# Altium PCB PCB_3U_DDS.PcbDoc (part 2 of 12)
Units mil, origin at the board's own origin, x right, y up, seen from the top; angles counter-clockwise.
Board outline 6338.37 x 3937 mil, 6 copper layers (L1, P2, L3, L4, P5, L6), stack 64.885 mil thick; 954 components, 537 nets, 3358 pads, 2342 vias.
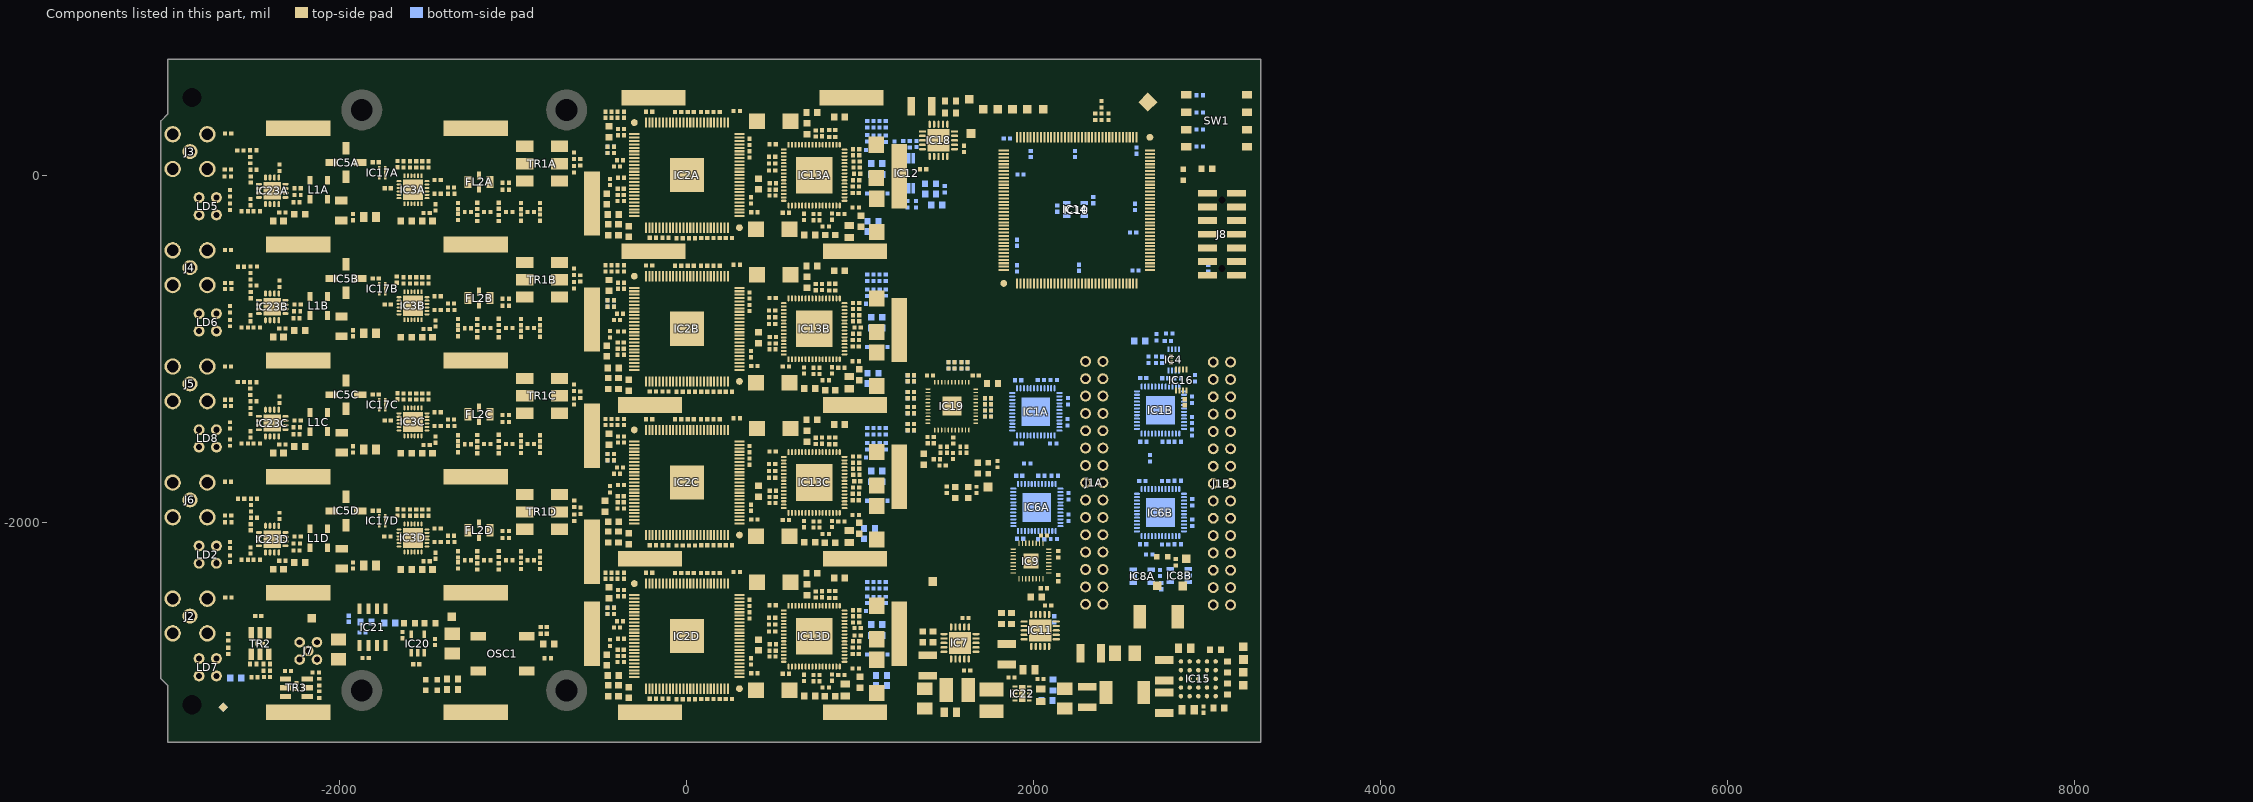
[diagram p6: the components of this part, seen from the top]

## Components (designator, comment, footprint, x,y, rotation, side; value= is the part's Value field where it differs from the comment) (continued)
C159D "100nF" CAPC1005X55N -217.52,-2292.32 r180 top (schematic designator C159)
C160 "1uF" CAPC1005X55N 2117.27,-2560.71 r270 bottom
C161 "47uF" CAPC3225X270N 2751.57,-2854.33 r90 top
C162A "10uF" CAPMP6032X280N 1092.52,78.74 r270 top (schematic designator C162)
C162B "10uF" CAPMP6032X280N 1095.28,-807.19 r270 top (schematic designator C162)
C162C "10uF" CAPMP6032X280N 1095.28,-1693.02 r270 top (schematic designator C162)
C162D "10uF" CAPMP6032X280N 1095.28,-2578.84 r270 top (schematic designator C162)
C163 "47uF" CAPC3225X270N 2328.35,-2755.91 r0 top
C164A "Undefined" CAPC1005X55N -846.46,-245.18 r270 top (schematic designator C164)
C164B "Undefined" CAPC1005X55N -846.46,-914.47 r270 top (schematic designator C164)
C164C "Undefined" CAPC1005X55N -846.46,-1583.76 r270 top (schematic designator C164)
C164D "Undefined" CAPC1005X55N -846.46,-2253.06 r270 top (schematic designator C164)
C165 "1uF" CAPC1005X55N 2082.28,-2480.31 r0 top
C166 "47uF" CAPC3225X270N 1844.49,-2761.91 r90 top
C167 "1uF" CAPC1005X55N 1362.2,33.36 r180 top
C168 "1uF" CAPC1005X55N 1598.43,151.47 r270 top
C169 "47uF" CAPC3225X270N 1352.36,397.54 r0 top
C170 "10nF" CAPC1005X55N -1451.57,-2691.05 r90 top
C171 "1uF" CAPC1005X55N -1559.83,-2819 r180 top
C172A "Undefined" CAPC1005X55N -956.69,-178.25 r90 top (schematic designator C172)
C172B "Undefined" CAPC1005X55N -956.69,-847.54 r90 top (schematic designator C172)
C172C "Undefined" CAPC1005X55N -956.69,-1516.83 r90 top (schematic designator C172)
C172D "Undefined" CAPC1005X55N -956.69,-2186.13 r90 top (schematic designator C172)
C173 "100nF" CAPC1005X55N -1638.57,-2651.68 r90 top
C174 "1uF" CAPC1005X55N -1851.39,-2783.57 r180 top
C175 "10nF" CAPC1005X55N -1948.82,-2557.19 r270 bottom
C176A "Undefined" CAPC1005X55N -1084.64,-247.15 r270 top (schematic designator C176)
C176B "Undefined" CAPC1005X55N -1084.64,-916.44 r270 top (schematic designator C176)
C176C "Undefined" CAPC1005X55N -1084.64,-1585.73 r270 top (schematic designator C176)
C176D "Undefined" CAPC1005X55N -1084.64,-2255.03 r270 top (schematic designator C176)
C177 "100nF" CAPC1005X55N -1870.08,-2635.93 r180 bottom
C178 "100nF" CAPC1005X55N 1871.21,-2895.36 r180 top
C179 "22uF" CAPC2012X135N 1972.44,-2850.5 r180 top
C180A "Undefined" CAPC1005X55N -1207.67,-177.27 r90 top (schematic designator C180)
C180B "Undefined" CAPC1005X55N -1207.67,-846.56 r90 top (schematic designator C180)
C180C "Undefined" CAPC1005X55N -1207.67,-1515.85 r90 top (schematic designator C180)
C180D "Undefined" CAPC1005X55N -1207.67,-2185.14 r90 top (schematic designator C180)
C181 "100nF" CAPC1005X55N 2038.53,-2905.2 r0 top
C182 "22uF" CAPC2012X135N 2041.34,-2998.13 r90 top
C183 "22uF" CAPC2012X135N 1519.69,-3096.56 r0 top
C184 "100nF" CAPC1005X55N 2592.52,141.63 r90 bottom
C185 "100nF" CAPC1005X55N 2586.39,-549.79 r0 bottom
C186 "100nF" CAPC1005X55N 2582.68,-183.17 r90 bottom
C187 "100nF" CAPC1005X55N 1903.54,-389.87 r90 bottom
C188 "100nF" CAPC1005X55N 2238.19,121.94 r90 bottom
C189 "100nF" CAPC1005X55N 1474.87,-1673.79 r180 top
C190 "100nF" CAPC1005X55N -2299.13,-2857.79 r180 top
C191 "0.5pF" CAPC1005X50N -2118.61,-2994.24 r270 top
C192 "100nF" CAPC1005X55N 1982.28,121.94 r90 bottom
C193 "100nF" CAPC1005X55N 1923.23,3.83 r180 bottom
C194 "100nF" CAPC1005X55N 1534.87,-1618.79 r90 top
C195 "0.5pF" CAPC1005X50N -2118.61,-2922.24 r270 top
C196 "100nF" CAPC1005X55N -2470.47,-2541.44 r0 top
C197 "1uF" CAPC1005X55N 2342.52,-143.8 r90 bottom
C198 "1uF" CAPC1005X55N 2135.83,-193.02 r90 bottom
C199 "100nF" CAPC1005X55N 1903.54,-537.5 r270 bottom
C200 "100nF" CAPC1005X55N 2572.83,-330.81 r0 bottom
C201 "100nF" CAPC1005X55N 1844.49,210.53 r180 bottom
C202A "Undefined" CAPC1005X55N -1318.9,-241.24 r270 top (schematic designator C202)
C202B "Undefined" CAPC1005X55N -1318.9,-910.54 r270 top (schematic designator C202)
C202C "Undefined" CAPC1005X55N -1318.9,-1579.83 r270 top (schematic designator C202)
C202D "Undefined" CAPC1005X55N -1318.9,-2249.12 r270 top (schematic designator C202)
C203A "Undefined" CAPC1005X55N -846.46,-178.25 r270 top (schematic designator C203)
C203B "Undefined" CAPC1005X55N -846.46,-847.54 r270 top (schematic designator C203)
C203C "Undefined" CAPC1005X55N -846.46,-1516.83 r270 top (schematic designator C203)
C203D "Undefined" CAPC1005X55N -846.46,-2186.13 r270 top (schematic designator C203)
C204A "Undefined" CAPC1005X55N -956.69,-245.18 r90 top (schematic designator C204)
C204B "Undefined" CAPC1005X55N -956.69,-914.47 r90 top (schematic designator C204)
C204C "Undefined" CAPC1005X55N -956.69,-1583.76 r90 top (schematic designator C204)
C204D "Undefined" CAPC1005X55N -956.69,-2253.06 r90 top (schematic designator C204)
C205A "Undefined" CAPC1005X55N -1084.64,-176.29 r270 top (schematic designator C205)
C205B "Undefined" CAPC1005X55N -1084.64,-845.58 r270 top (schematic designator C205)
C205C "Undefined" CAPC1005X55N -1084.64,-1514.87 r270 top (schematic designator C205)
C205D "Undefined" CAPC1005X55N -1084.64,-2184.16 r270 top (schematic designator C205)
C206A "Undefined" CAPC1005X55N -1207.67,-247.15 r90 top (schematic designator C206)
C206B "Undefined" CAPC1005X55N -1207.67,-916.44 r90 top (schematic designator C206)
C206C "Undefined" CAPC1005X55N -1207.67,-1585.73 r90 top (schematic designator C206)
C206D "Undefined" CAPC1005X55N -1207.67,-2255.03 r90 top (schematic designator C206)
C207A "Undefined" CAPC1005X55N -1318.9,-178.25 r270 top (schematic designator C207)
C207B "Undefined" CAPC1005X55N -1318.9,-847.54 r270 top (schematic designator C207)
C207C "Undefined" CAPC1005X55N -1318.9,-1516.83 r270 top (schematic designator C207)
C207D "Undefined" CAPC1005X55N -1318.9,-2186.13 r270 top (schematic designator C207)
CLIP1 "S1411-46R" CLIP_HOLLAND-SHIELDING_LC 1224.41,-6.01 r270 top
CLIP2 "S1411-46R" CLIP_HOLLAND-SHIELDING_LC -547.24,-2643.8 r270 top
CLIP3 "S1411-46R" CLIP_HOLLAND-SHIELDING_LC -192.91,446.75 r180 top
CLIP4 "S1411-46R" CLIP_HOLLAND-SHIELDING_LC 968.5,-2210.73 r180 top
CLIP5 "S1411-46R" CLIP_HOLLAND-SHIELDING_LC -547.24,-163.49 r270 top
CLIP6 "S1411-46R" CLIP_HOLLAND-SHIELDING_LC 948.82,446.75 r180 top
CLIP7 "S1411-46R" CLIP_HOLLAND-SHIELDING_LC -1216.54,269.58 r180 top
CLIP8 "S1411-46R" CLIP_HOLLAND-SHIELDING_LC -1216.54,-2407.58 r180 top
CLIP9 "S1411-46R" CLIP_HOLLAND-SHIELDING_LC 968.5,-3096.56 r180 top
CLIP10 "S1411-46R" CLIP_HOLLAND-SHIELDING_LC -547.24,-832.78 r270 top
CLIP11 "S1411-46R" CLIP_HOLLAND-SHIELDING_LC -212.6,-1324.91 r180 top
CLIP12 "S1411-46R" CLIP_HOLLAND-SHIELDING_LC 968.5,-439.08 r180 top
CLIP13 "S1411-46R" CLIP_HOLLAND-SHIELDING_LC 968.5,-1324.91 r180 top
CLIP14 "S1411-46R" CLIP_HOLLAND-SHIELDING_LC -212.6,-2210.73 r180 top
CLIP15 "S1411-46R" CLIP_HOLLAND-SHIELDING_LC -192.91,-439.08 r180 top
CLIP16 "S1411-46R" CLIP_HOLLAND-SHIELDING_LC -2240.16,-1738.29 r180 top
CLIP17 "S1411-46R" CLIP_HOLLAND-SHIELDING_LC -1216.54,-1738.29 r180 top
CLIP18 "S1411-46R" CLIP_HOLLAND-SHIELDING_LC -547.24,-2171.36 r270 top
CLIP19 "S1411-46R" CLIP_HOLLAND-SHIELDING_LC -2240.16,-2407.58 r180 top
CLIP20 "S1411-46R" CLIP_HOLLAND-SHIELDING_LC -212.6,-3096.56 r180 top
CLIP21 "S1411-46R" CLIP_HOLLAND-SHIELDING_LC -2240.16,-399.71 r180 top
CLIP22 "S1411-46R" CLIP_HOLLAND-SHIELDING_LC -1216.54,-399.71 r180 top
CLIP23 "S1411-46R" CLIP_HOLLAND-SHIELDING_LC -2240.16,269.58 r180 top
CLIP24 "S1411-46R" CLIP_HOLLAND-SHIELDING_LC -2240.16,-1069 r180 top
CLIP25 "S1411-46R" CLIP_HOLLAND-SHIELDING_LC -1216.54,-1069 r180 top
CLIP26 "S1411-46R" CLIP_HOLLAND-SHIELDING_LC -547.24,-1502.07 r270 top
CLIP27 "S1411-46R" CLIP_HOLLAND-SHIELDING_LC 1224.41,-2643.8 r90 top
CLIP28 "S1411-46R" CLIP_HOLLAND-SHIELDING_LC 1224.41,-1738.29 r90 top
CLIP29 "S1411-46R" CLIP_HOLLAND-SHIELDING_LC 1224.41,-891.83 r90 top
CLIP30 "S1411-46R" CLIP_HOLLAND-SHIELDING_LC -2240.16,-3096.56 r180 top
CLIP31 "S1411-46R" CLIP_HOLLAND-SHIELDING_LC -1216.54,-3096.56 r180 top
FL2A "DC to 320MHz" FIL_MINI-CIRCUITS_FV1206 -1197.83,-39.47 r180 top (schematic designator FL2)
FL2B "DC to 320MHz" FIL_MINI-CIRCUITS_FV1206 -1197.83,-708.76 r180 top (schematic designator FL2)
FL2C "DC to 320MHz" FIL_MINI-CIRCUITS_FV1206 -1197.83,-1378.06 r180 top (schematic designator FL2)
FL2D "DC to 320MHz" FIL_MINI-CIRCUITS_FV1206 -1197.83,-2047.35 r180 top (schematic designator FL2)
FTG1 "Use only in PCB" FIDUCIAL_TOP_C100-200 2647.64,411.31 r90 bottom
FTG2 "Use only in PCB" FIDUCIAL_TOP_S100-200 -2672.24,-3068.02 r90 top
FTG3 "Use only in PCB" FIDUCIAL_TOP_S200-400 2657.48,421.16 r0 top
FTG4 "Use only in PCB" FIDUCIAL_TOP_S100-200 -2672.24,-3068.02 r90 bottom
IC1A "SN65MLVD040RGZT" QFN50P700X700X100-49N-S420 2011.81,-1364.28 r180 bottom (schematic designator IC1)
IC1B "SN65MLVD040RGZT" QFN50P700X700X100-49N-S420 2730.31,-1354.43 r180 bottom locked (schematic designator IC1)
IC2A "AD9910BSVZ" QFP50P1600X1600X120-101N-S500 0,0 r90 top locked (schematic designator IC2)
IC2B "AD9910BSVZ" QFP50P1600X1600X120-101N-S500 0,-885.83 r90 top locked (schematic designator IC2)
IC2C "AD9910BSVZ" QFP50P1600X1600X120-101N-S500 0,-1771.65 r90 top locked (schematic designator IC2)
IC2D "AD9910BSVZ" QFP50P1600X1600X120-101N-S500 0,-2657.48 r90 top locked (schematic designator IC2)
IC3A "HMC542BLP4E" QFN50P400X400X100-25N-S295 -1578.74,-83.76 r180 top (schematic designator IC3)
IC3B "HMC542BLP4E" QFN50P400X400X100-25N-S295 -1578.74,-753.06 r180 top (schematic designator IC3)
IC3C "HMC542BLP4E" QFN50P400X400X100-25N-S295 -1578.74,-1422.35 r180 top (schematic designator IC3)
IC3D "HMC542BLP4E" QFN50P400X400X100-25N-S295 -1578.74,-2091.64 r180 top (schematic designator IC3)
IC4 "FIN1101K8X" SOP50P310X90-8N 2807.09,-1065.06 r270 bottom
IC5A "ERA-3+" MINI-CIRCUITS_WW107 -1964.57,72.73 r180 top (schematic designator IC5)
IC5B "ERA-3+" MINI-CIRCUITS_WW107 -1964.57,-596.56 r180 top (schematic designator IC5)
IC5C "ERA-3+" MINI-CIRCUITS_WW107 -1964.57,-1265.85 r180 top locked (schematic designator IC5)
IC5D "ERA-3+" MINI-CIRCUITS_WW107 -1964.57,-1935.14 r180 top (schematic designator IC5)
IC6A "SN65MLVD040RGZT" QFN50P700X700X100-49N-S420 2017.72,-1915.46 r180 bottom (schematic designator IC6)
IC6B "SN65MLVD040RGZT" QFN50P700X700X100-49N-S420 2730.31,-1944.98 r180 bottom (schematic designator IC6)
IC7 "TPS74901RGWT" QFN65P500X500X100-21N-S325 1574.28,-2696.6 r90 top
IC8A "24AA02E48T-I/OT" SOT95P280X145-5N 2625,-2312.11 r0 bottom (schematic designator IC8)
IC8B "24AA02E48T-I/OT" SOT95P280X145-5N 2838.58,-2308.17 r180 bottom (schematic designator IC8)
IC9 "Si53304-B-GM" SLAB-QFN-32-2150x2150TP_M 1983.86,-2224.41 r90 top
IC10 "XC2C128-6TQG144C" QFP50P2200X2200X160-144N 2248.03,-202.86 r0 top locked
IC11 "TPS74901RGWT" QFN65P500X500X100-21N-S325 2036.88,-2624.43 r90 top locked
IC12 "LM75AIMM/NOPB" SOP65P490X109-8N 1266.51,10.42 r90 bottom
IC13A "AD9912ABCPZ" QFN50P900X900X100-65N-S536 733.86,0 r0 top locked (schematic designator IC13)
IC13B "AD9912ABCPZ" QFN50P900X900X100-65N-S536 733.86,-885.83 r0 top locked (schematic designator IC13)
IC13C "AD9912ABCPZ" QFN50P900X900X100-65N-S536 733.86,-1771.65 r0 top locked (schematic designator IC13)
IC13D "AD9912ABCPZ" QFN50P900X900X100-65N-S536 733.86,-2657.48 r0 top (schematic designator IC13)
IC14 "LP3990MF-1.8/NOPB" SOT95P284X122-5N 2239.76,-196.85 r180 bottom
IC15 "LTM4622AEV#PBF" LGA25C127P5X5_625X625X190 2948.43,-2903.54 r0 top locked
IC16 "FIN1101K8X" SOP50P310X90-8N 2850,-1181.1 r270 top
IC17A "PAT1220-C-9DB-T5" SUSUMU_PAT1220 -1755.91,14.66 r90 top (schematic designator IC17)
IC17B "PAT1220-C-9DB-T5" SUSUMU_PAT1220 -1755.91,-654.63 r90 top (schematic designator IC17)
IC17C "PAT1220-C-9DB-T5" SUSUMU_PAT1220 -1755.91,-1323.92 r90 top (schematic designator IC17)
IC17D "PAT1220-C-9DB-T5" SUSUMU_PAT1220 -1755.91,-1993.21 r90 top (schematic designator IC17)
IC18 "TPS74901RGWT" QFN65P500X500X100-21N-S325 1450.79,200.68 r0 top
IC19 "Si53312-B-GM" SLAB-QFN-44-2800x2800TP_N 1527.56,-1331.8 r0 top
IC20 "LT1761ES5-BYP#TRMPBF" SOT95P280X100-5N -1551.18,-2700.04 r90 top
IC21 "LT1763CS8#PBF" SOIC127P600X175-8N -1811.02,-2604.98 r270 top
IC22 "TPS62175DQC" SON50P200X300X80-11N-R94X250 1933.07,-2988.29 r180 top
IC23A "HMC349ALP4CE" QFN65P400X400X100-17N-S255 -2390.61,-90.24 r180 top (schematic designator IC23)
IC23B "HMC349ALP4CE" QFN65P400X400X100-17N-S255 -2390.61,-759.53 r180 top locked (schematic designator IC23)
IC23C "HMC349ALP4CE" QFN65P400X400X100-17N-S255 -2390.61,-1428.82 r180 top (schematic designator IC23)
IC23D "HMC349ALP4CE" QFN65P400X400X100-17N-S255 -2390.61,-2098.11 r180 top (schematic designator IC23)
J1A "Familly" 3M_N2530-6002RB 2348.3,-1773.3 r270 top locked (schematic designator J1)
J1B "Familly" 3M_N2530-6002RB 3084.65,-1777.66 r270 top locked (schematic designator J1)
J2 "SMA" RF249BT0050GHDW -2864.17,-2541.44 r180 top locked
J3 "SMA" RF249BT0050GHDW -2864.17,135.72 r180 top locked
J4 "SMA" RF249BT0050GHDW -2864.17,-533.57 r180 top locked
J5 "SMA" RF249BT0050GHDW -2864.17,-1202.86 r180 top locked
J6 "SMA" RF249BT0050GHDW -2864.17,-1872.15 r180 top locked
J7 "MMCX" SAMTEC_MMCX-J-P-H-ST-TH1 -2182.13,-2742.79 r180 top
J8 "Milli-Grid™" MOLEX_87832-1420 3084.65,-340.65 r90 top
L1A "0.5uH@200mA" IND_MINI-CIRCUITS_GU1604 -2122.05,-84.75 r180 top (schematic designator L1)
L1B "0.5uH@200mA" IND_MINI-CIRCUITS_GU1604 -2122.05,-754.04 r180 top (schematic designator L1)
L1C "0.5uH@200mA" IND_MINI-CIRCUITS_GU1604 -2122.05,-1423.33 r180 top (schematic designator L1)
L1D "0.5uH@200mA" IND_MINI-CIRCUITS_GU1604 -2122.05,-2092.62 r180 top (schematic designator L1)
L2 "1.5uH" IND_TDK_SPM6530 2525.2,-2982.28 r180 top
L3 "1.5uH" IND_TDK_SPM6530 2720.47,-2545.38 r180 top
L4 "10uH" IND_MURATA-PS_8400 1755.91,-3027.66 r90 top
L5 "10uH" IND_MURATA-PS_8400 1559.06,-2968.61 r180 top
L6A "390R@100MHz" INDC1608X95N -2231.3,-225.49 r0 top (schematic designator L6)
L6B "390R@100MHz" INDC1608X95N -2231.3,-894.78 r0 top (schematic designator L6)
L6C "390R@100MHz" INDC1608X95N -2231.3,-1564.08 r0 top (schematic designator L6)
L6D "390R@100MHz" INDC1608X95N -2231.3,-2233.37 r0 top (schematic designator L6)
L7A "390R@100MHz" INDC1608X95N -1618.11,-264.87 r0 top (schematic designator L7)
L7B "390R@100MHz" INDC1608X95N -1618.11,-934.16 r0 top (schematic designator L7)
L7C "390R@100MHz" INDC1608X95N -1618.11,-1603.45 r0 top (schematic designator L7)
L7D "390R@100MHz" INDC1608X95N -1618.11,-2272.74 r0 top (schematic designator L7)
L8 "120R@100MHz" INDC1608X95N 2609.72,-956.44 r180 bottom
L9 "120R@100MHz" INDC1608X95N -795.28,-2702.86 r0 top
L13 "120R@100MHz" INDC1608X95N 2013.39,-2431.1 r180 top
L14 "120R@100MHz" INDC1608X95N 1365.86,-1638.83 r270 top
L15A "120R@100MHz" INDC1608X95N -448.82,249.9 r270 top (schematic designator L15)
L15B "120R@100MHz" INDC1608X95N -448.82,-635.93 r270 top (schematic designator L15)
L15C "120R@100MHz" INDC1608X95N -448.82,-1521.76 r270 top (schematic designator L15)
L15D "120R@100MHz" INDC1608X95N -448.82,-2407.58 r270 top (schematic designator L15)
L16A "120R@100MHz" INDC1608X95N 707.68,-344.59 r180 top (schematic designator L16)
L16B "120R@100MHz" INDC1608X95N 707.68,-1230.42 r180 top (schematic designator L16)
L16C "120R@100MHz" INDC1608X95N 707.68,-2116.24 r180 top (schematic designator L16)
L16D "120R@100MHz" INDC1608X95N 707.68,-3002.07 r180 top (schematic designator L16)
L17A "120R@100MHz" INDC1608X95N 413.86,-51 r270 top (schematic designator L17)
L17B "120R@100MHz" INDC1608X95N 413.86,-936.83 r270 top (schematic designator L17)
L17C "120R@100MHz" INDC1608X95N 413.86,-1822.65 r270 top (schematic designator L17)
L17D "120R@100MHz" INDC1608X95N 413.86,-2708.48 r270 top (schematic designator L17)
L18A "120R@100MHz" INDC1608X95N 879.86,335 r0 top (schematic designator L18)
L18B "120R@100MHz" INDC1608X95N 879.86,-550.83 r0 top (schematic designator L18)
L18C "120R@100MHz" INDC1608X95N 879.86,-1436.65 r0 top (schematic designator L18)
L18D "120R@100MHz" INDC1608X95N 879.86,-2322.48 r0 top (schematic designator L18)
L19A "120R@100MHz" INDC1608X95N 1095.28,66.83 r0 bottom (schematic designator L19)
L19B "120R@100MHz" INDC1608X95N 1095.28,-819 r0 bottom (schematic designator L19)
L19C "120R@100MHz" INDC1608X95N 1095.28,-1704.83 r0 bottom (schematic designator L19)
L19D "120R@100MHz" INDC1608X95N 1095.28,-2590.65 r0 bottom (schematic designator L19)
L20A "120R@100MHz" INDC1608X95N 1095.28,3.83 r0 bottom (schematic designator L20)
L20B "120R@100MHz" INDC1608X95N 1095.28,-881.99 r0 bottom (schematic designator L20)
L20C "120R@100MHz" INDC1608X95N 1095.28,-1767.82 r0 bottom (schematic designator L20)
L20D "120R@100MHz" INDC1608X95N 1095.28,-2653.65 r0 bottom (schematic designator L20)
L21A "120R@100MHz" INDC1608X95N 692.52,267.61 r90 top (schematic designator L21)
L21B "120R@100MHz" INDC1608X95N 692.52,-618.21 r90 top (schematic designator L21)
L21C "120R@100MHz" INDC1608X95N 692.52,-1504.04 r90 top (schematic designator L21)
L21D "120R@100MHz" INDC1608X95N 692.52,-2389.87 r90 top (schematic designator L21)
L22A "120R@100MHz" INDC1608X95N 721.26,362.1 r0 top (schematic designator L22)
L22B "120R@100MHz" INDC1608X95N 721.26,-523.72 r0 top (schematic designator L22)
L22C "120R@100MHz" INDC1608X95N 721.26,-1409.55 r0 top (schematic designator L22)
L22D "120R@100MHz" INDC1608X95N 721.26,-2295.38 r0 top (schematic designator L22)
LD1 "Green" LED_KINGBRIGHT_KPH-1608CGCKr -1472.44,-2968.61 r0 top
LD2 "Red/Green" LED_DIALIGHT_553-0112-200F -2761.81,-2187.11 r0 top locked
LD3 "Green" LED_KINGBRIGHT_KPH-1608CGCKr 2740.16,-2200.89 r0 top
LD4 "Green" LED_KINGBRIGHT_KPH-1608CGCKr 1736.22,-1689.08 r270 top
LD5 "Red/Green" LED_DIALIGHT_553-0112-200F -2761.81,-179.24 r0 top locked
LD6 "Red/Green" LED_DIALIGHT_553-0112-200F -2761.81,-848.53 r0 top locked
LD7 "Red/Green" LED_DIALIGHT_553-0112-200F -2761.81,-2836.72 r0 top locked
LD8 "Red/Green" LED_DIALIGHT_553-0112-200F -2761.81,-1517.82 r0 top locked
LD9 "Green" LED_KINGBRIGHT_KPH-1608CGCKr -1472.44,-2909.55 r0 top
LD10 "Green" LED_KINGBRIGHT_KPH-1608CGCKr 2862.51,2.42 r90 top
OSC1 "100MHz" OSC_CRYSTEK_CCHD-950 -1062.99,-2757.98 r0 top
R1A "Undefined" RESC1005X40N 1961.86,-1662.83 r180 bottom (schematic designator R1)
R1B "Undefined" RESC1005X40N 2670.28,-1631.99 r270 bottom (schematic designator R1)
R2A "0" RESC1005X40N -2517.13,87.21 r90 top (schematic designator R2)
R2B "0" RESC1005X40N -2516.13,-582.79 r90 top (schematic designator R2)
R2C "0" RESC1005X40N -2517.13,-1248.79 r90 top (schematic designator R2)
R2D "0" RESC1005X40N -2512.13,-1920.79 r90 top (schematic designator R2)
R3A "Undefined" RESC1005X40N -2498.13,31.21 r180 top (schematic designator R3)
R3B "Undefined" RESC1005X40N -2498.13,-636.79 r180 top (schematic designator R3)
R3C "Undefined" RESC1005X40N -2498.13,-1303.79 r180 top (schematic designator R3)
R3D "Undefined" RESC1005X40N -2495.13,-1974.79 r180 top (schematic designator R3)
R4A "Undefined" RESC1005X40N -2500.13,143.21 r180 top (schematic designator R4)
R4B "Undefined" RESC1005X40N -2496.13,-526.79 r180 top (schematic designator R4)
R4C "Undefined" RESC1005X40N -2499.13,-1193.79 r180 top (schematic designator R4)
R4D "Undefined" RESC1005X40N -2495.13,-1865.79 r180 top (schematic designator R4)
R5 "1k2" RESC1608X55N -1350.2,-2964.46 r0 top
R6 "0" RESC1005X40N -2643.7,-2663.49 r270 top
R7A "100" RESC1005X40N 2114.17,-1181.2 r0 bottom (schematic designator R7)
R7B "100" RESC1005X40N 2828.74,-1171.36 r0 bottom (schematic designator R7)
R8A "100" RESC1005X40N -614.17,73.72 r90 top (schematic designator R8)
R8B "100" RESC1005X40N -614.17,-595.57 r90 top (schematic designator R8)
R8C "100" RESC1005X40N -614.17,-1264.87 r90 top (schematic designator R8)
R8D "100" RESC1005X40N -612.6,-1934.24 r90 top (schematic designator R8)
R9A "100" RESC1005X40N 2197.3,-1303.3 r270 bottom (schematic designator R9)
R9B "100" RESC1005X40N 2912.4,-1295.38 r270 bottom (schematic designator R9)
R10A "100" RESC1005X40N -442.91,-39.37 r270 top (schematic designator R10)
R10B "100" RESC1005X40N -442.91,-916.64 r270 top (schematic designator R10)
R10C "100" RESC1005X40N -442.91,-1811.02 r270 top (schematic designator R10)
R10D "100" RESC1005X40N -442.91,-2696.85 r270 top (schematic designator R10)
R11A "100" RESC1005X40N 2194.88,-1424.32 r270 bottom (schematic designator R11)
R11B "100" RESC1005X40N 2911.42,-1411.52 r270 bottom (schematic designator R11)
R12A "100" RESC1005X40N 800.2,-296.36 r0 top (schematic designator R12)
R12B "100" RESC1005X40N 800.2,-1182.19 r0 top (schematic designator R12)
R12C "100" RESC1005X40N 800.2,-2068.02 r0 top (schematic designator R12)
R12D "100" RESC1005X40N 800.2,-2953.84 r0 top (schematic designator R12)
R13A "100" RESC1005X40N 2111.22,-1546.36 r180 bottom (schematic designator R13)
R13B "100" RESC1005X40N 2830.71,-1537.5 r180 bottom (schematic designator R13)
R14A "Undefined" RESC1005X40N 1791.34,-1665.46 r90 top (schematic designator R14)
R14B "Undefined" RESC1005X40N 2666.34,-2187.11 r180 bottom (schematic designator R14)
R15A "10k" RESC1005X35N 1050.2,144.58 r0 bottom (schematic designator R15)
R15B "10k" RESC1005X35N 1050.2,-741.24 r0 bottom (schematic designator R15)
R15C "10k" RESC1005X35N 1050.2,-1627.07 r0 bottom (schematic designator R15)
R15D "10k" RESC1005X35N 1050.2,-2512.9 r0 bottom (schematic designator R15)
R16A "100" RESC1005X40N 2120.08,-1732.39 r0 bottom (schematic designator R16)
R16B "100" RESC1005X40N 2829.72,-1761.91 r0 bottom (schematic designator R16)
R17 "100" RESC1005X40N 1480.31,-1600.5 r0 top
R18A "100" RESC1005X40N -2548.23,-208.76 r0 top (schematic designator R18)
R18B "100" RESC1005X40N -2548.23,-878.05 r0 top (schematic designator R18)
R18C "100" RESC1005X40N -2548.23,-1547.34 r0 top (schematic designator R18)
R18D "100" RESC1005X40N -2548.23,-2216.63 r0 top (schematic designator R18)
R19A "100" RESC1005X40N -2480.32,-208.76 r180 top (schematic designator R19)
R19B "100" RESC1005X40N -2479.13,-878.05 r180 top (schematic designator R19)
R19C "100" RESC1005X40N -2479.13,-1547.34 r180 top (schematic designator R19)
R19D "100" RESC1005X40N -2480.32,-2216.64 r180 top (schematic designator R19)
R20A "4k7" RESC1005X40N -2244.13,-114.79 r180 top (schematic designator R20)
R20B "4k7" RESC1005X40N -2247.13,-784.79 r180 top (schematic designator R20)
R20C "4k7" RESC1005X40N -2248.87,-1453.63 r180 top (schematic designator R20)
R20D "4k7" RESC1005X40N -2248.87,-2122.92 r180 top (schematic designator R20)
R21A "100" RESC1005X40N 2199.8,-1850.5 r270 bottom (schematic designator R21)
R21B "100" RESC1005X40N 2913.39,-1885.93 r270 bottom (schematic designator R21)
R22 "100" RESC1005X40N 1594.49,-1600.5 r0 top
R23 "1k5" RESC1608X55N 1419.29,-2661.52 r270 top
R24A "100" RESC1005X40N 2199.8,-1974.51 r270 bottom (schematic designator R24)
R24B "100" RESC1005X40N 2913.39,-2004.04 r270 bottom (schematic designator R24)
R25 "470" RESC1005X40N -2633.86,-2210.73 r270 top
R26 "470" RESC1005X40N -2633.86,-2131.99 r270 top
R27 "470" RESC1005X40N -2633.86,-104.43 r270 top
R28 "470" RESC1005X40N -2633.86,-183.17 r270 top
R29 "470" RESC1005X40N -2633.86,-773.72 r270 top
R30 "470" RESC1005X40N -2633.86,-852.46 r270 top
R31 "1k" RESC1005X40N 2661.42,-1065.06 r90 bottom
R32 "100" RESC1005X40N 2704.72,-1065.06 r270 bottom
R33 "10k" RESC1005X40N 2818.9,-2230.42 r270 top
R34 "200" RESC1005X40N 1507.87,-1096.56 r270 bottom
R35A "100" RESC1005X40N 2116.14,-2097.54 r180 bottom (schematic designator R35)
R35B "100" RESC1005X40N 2830.4,-2128.24 r180 bottom (schematic designator R35)
R36 "1k" RESC1005X40N 2706.69,-934.16 r270 bottom
R37 "200" RESC1005X40N 1291.34,-1435.14 r0 bottom
R38A "49R9" RESC1005X40N -650.6,34.76 r90 top (schematic designator R38)
R38B "49R9" RESC1005X40N -650.13,-634.79 r90 top (schematic designator R38)
R38C "49R9" RESC1005X40N -650.13,-1304.79 r90 top (schematic designator R38)
R38D "49R9" RESC1005X40N -648.6,-1974.24 r90 top (schematic designator R38)
R39 "1k" RESC1005X40N 2780.51,-912.5 r180 bottom
R40A "200" RESC1005X40N -381.1,330.61 r0 top (schematic designator R40)
R40B "200" RESC1005X40N -381.1,-555.22 r0 top (schematic designator R40)
R40C "200" RESC1005X40N -381.1,-1441.05 r0 top (schematic designator R40)
R40D "200" RESC1005X40N -381.1,-2326.87 r0 top (schematic designator R40)
R41A "200" RESC1005X40N -381.1,366.04 r0 top (schematic designator R41)
R41B "200" RESC1005X40N -381.1,-519.79 r0 top (schematic designator R41)
R41C "200" RESC1005X40N -381.1,-1405.61 r0 top (schematic designator R41)
R41D "200" RESC1005X40N -381.1,-2291.44 r0 top (schematic designator R41)
R42 "200" RESC1005X40N 1291.34,-1470.57 r0 bottom
R43 "470" RESC1005X40N -2633.86,-1443.02 r270 top
R44 "470" RESC1005X40N -2633.86,-1541.44 r270 top
R45 "0" RESC1005X40N -2139.76,-2867.23 r0 top
R46 "0" RESC1005X40N -2460.62,-2699.9 r180 top
R47 "49R9" RESC1005X40N 1480.31,-1565.06 r180 top
R48A "0" RESC1005X40N -900.89,-211.72 r180 top (schematic designator R48)
R48B "0" RESC1005X40N -900.89,-881.01 r180 top (schematic designator R48)
R48C "0" RESC1005X40N -900.89,-1550.3 r180 top (schematic designator R48)
R48D "0" RESC1005X40N -900.89,-2219.59 r180 top (schematic designator R48)
R49A "0" RESC1005X40N -1022.94,-211.72 r180 top (schematic designator R49)
R49B "0" RESC1005X40N -1022.94,-881.01 r180 top (schematic designator R49)
R49C "0" RESC1005X40N -1022.94,-1550.3 r180 top (schematic designator R49)
R49D "0" RESC1005X40N -1022.94,-2219.59 r180 top (schematic designator R49)
R50A "0" RESC1005X40N -1149.56,-211.72 r180 top (schematic designator R50)
R50B "0" RESC1005X40N -1149.56,-881.01 r180 top (schematic designator R50)
R50C "0" RESC1005X40N -1149.56,-1550.3 r180 top (schematic designator R50)
R50D "0" RESC1005X40N -1149.56,-2219.59 r180 top (schematic designator R50)
R51A "0" RESC1005X40N -1261.81,-212.7 r0 top (schematic designator R51)
R51B "0" RESC1005X40N -1261.81,-881.99 r0 top (schematic designator R51)
R51C "0" RESC1005X40N -1261.81,-1551.29 r0 top (schematic designator R51)
R51D "0" RESC1005X40N -1261.81,-2220.58 r0 top (schematic designator R51)
R52 "49R9" RESC1005X40N 1594.49,-1565.06 r180 top
R53 "470" RESC1005X40N 1486.51,-81.58 r90 bottom
R54A "49R9" RESC1005X40N -650.6,112.76 r270 top (schematic designator R54)
R54B "49R9" RESC1005X40N -650.13,-556.79 r270 top (schematic designator R54)
R54C "49R9" RESC1005X40N -650.13,-1225.79 r270 top (schematic designator R54)
R54D "49R9" RESC1005X40N -648.6,-1895.24 r270 top (schematic designator R54)
R55 "24k" RESC1608X55N 3066.54,-3070.87 r0 top
R56A "0" RESC1005X40N -438.98,164.27 r180 top (schematic designator R56)
R56B "0" RESC1005X40N -438.98,-721.56 r180 top (schematic designator R56)
R56C "0" RESC1005X40N -438.98,-1607.39 r180 top (schematic designator R56)
R56D "0" RESC1005X40N -438.98,-2493.21 r180 top (schematic designator R56)
R57A "0" RESC1005X40N -1044.25,-83.69 r180 top (schematic designator R57)
R57B "0" RESC1005X40N -1044.25,-752.98 r180 top (schematic designator R57)
R57C "0" RESC1005X40N -1044.25,-1422.27 r180 top (schematic designator R57)
R57D "0" RESC1005X40N -1044.25,-2091.56 r180 top (schematic designator R57)
R58A "0" RESC1005X40N -1358.27,-107.39 r0 top (schematic designator R58)
R58B "0" RESC1005X40N -1358.27,-776.68 r0 top (schematic designator R58)
R58C "0" RESC1005X40N -1358.27,-1445.97 r0 top (schematic designator R58)
R58D "0" RESC1005X40N -1358.27,-2115.26 r0 top (schematic designator R58)
R59A "0" RESC1005X40N -1044.25,-43.69 r180 top (schematic designator R59)
R59B "0" RESC1005X40N -1044.25,-712.98 r180 top (schematic designator R59)
R59C "0" RESC1005X40N -1044.25,-1382.27 r180 top (schematic designator R59)
R59D "0" RESC1005X40N -1044.25,-2051.56 r180 top (schematic designator R59)
R60 "200" RESC1005X40N 1291.34,-1372.15 r0 bottom
R61 "200" RESC1005X40N 1291.34,-1336.72 r0 bottom
R62 "200" RESC1005X40N 1291.34,-1285.54 r0 bottom
R63 "200" RESC1005X40N 1291.34,-1250.1 r0 bottom
R64 "0" RESC1005X40N -2645.79,-7.15 r180 top
R65 "0" RESC1005X40N -2644.56,-656.5 r180 top
R66 "10k" RESC1005X40N 3005.91,-537.5 r270 bottom
R67 "10k" RESC1005X40N 2986.22,-419.39 r180 bottom
R68 "100" RESC1005X40N 2141.34,-2185.04 r270 top
R69 "200" RESC1005X40N 1291.34,-1188.69 r0 bottom
R70 "200" RESC1005X40N 1543.31,-1096.56 r270 bottom
R71 "200" RESC1005X40N 1582.68,-1096.56 r270 bottom
R72 "200" RESC1005X40N 1618.11,-1096.56 r270 bottom
R73 "0" RESC1005X40N -2250.39,-2944.79 r270 top
R74 "0" RESC1005X40N -2645.13,-1330.79 r180 top
R75 "0" RESC1005X40N -2644.12,-2001.15 r180 top
R76 "200" RESC1005X40N 1736.22,-1285.54 r180 bottom
R77 "200" RESC1005X40N 1291.34,-1153.25 r0 bottom
R78A "0" RESC1005X40N -438.98,127.85 r180 top (schematic designator R78)
R78B "0" RESC1005X40N -438.98,-757.98 r180 top (schematic designator R78)
R78C "0" RESC1005X40N -438.98,-1643.8 r180 top (schematic designator R78)
R78D "0" RESC1005X40N -438.98,-2529.63 r180 top (schematic designator R78)
R79A "0" RESC1005X40N -438.98,164.27 r180 bottom (schematic designator R79)
R79B "0" RESC1005X40N -438.98,-721.56 r180 bottom (schematic designator R79)
R79C "0" RESC1005X40N -438.98,-1607.39 r180 bottom (schematic designator R79)
R79D "0" RESC1005X40N -438.98,-2493.21 r180 bottom (schematic designator R79)
R80 "1k2" RESC1608X55N 1360.24,-2661.52 r90 top
R81 "0" RESC1005X40N -2421.25,-2857.38 r0 top
R82 "24k" RESC1608X55N 3115.75,-2962.6 r90 top
R83 "10k" RESC1005X40N 2955.91,263.48 r180 bottom
R84 "24k" RESC1608X55N 3046.85,-2736.22 r0 top
R85 "10k" RESC1005X40N 2955.91,361.91 r180 bottom
R86 "10k" RESC1005X40N 2955.91,460.33 r180 bottom
R87 "1k8" RESC1608X55N 3115.75,-2834.65 r270 top
R88A "0" RESC1005X40N -381.1,-149.71 r0 top (schematic designator R88)
R88B "0" RESC1005X40N -381.1,-1035.54 r0 top (schematic designator R88)
R88C "0" RESC1005X40N -381.1,-1921.36 r0 top (schematic designator R88)
R88D "0" RESC1005X40N -381.1,-2807.19 r0 top (schematic designator R88)
R89A "Undefined" RESC1005X40N 974.41,-187.11 r0 top (schematic designator R89)
R89B "Undefined" RESC1005X40N 974.41,-1072.94 r0 top (schematic designator R89)
R89C "Undefined" RESC1005X40N 974.41,-1958.76 r0 top (schematic designator R89)
R89D "Undefined" RESC1005X40N 974.41,-2844.59 r0 top (schematic designator R89)
R90A "0" RESC1608X55N -393.7,-314.96 r90 top (schematic designator R90)
R90B "0" RESC1608X55N -393.7,-1200.79 r90 top (schematic designator R90)
R90C "0" RESC1608X55N -393.7,-2086.61 r90 top (schematic designator R90)
R90D "0" RESC1608X55N -393.7,-2972.44 r90 top (schematic designator R90)
R91A "0" RESC1005X40N -438.98,127.85 r180 bottom (schematic designator R91)
R91B "0" RESC1005X40N -438.98,-757.98 r180 bottom (schematic designator R91)
R91C "0" RESC1005X40N -438.98,-1643.8 r180 bottom (schematic designator R91)
R91D "0" RESC1005X40N -438.98,-2529.63 r180 bottom (schematic designator R91)
R92A "2k2" RESC1608X55N -452.76,-314.96 r270 top (schematic designator R92)
R92B "2k2" RESC1608X55N -452.76,-1200.79 r270 top (schematic designator R92)
R92C "2k2" RESC1608X55N -452.76,-2086.61 r270 top (schematic designator R92)
R92D "2k2" RESC1608X55N -452.76,-2972.44 r270 top (schematic designator R92)
R93A "0" RESC1005X40N 1055.91,-105.53 r180 bottom (schematic designator R93)
R93B "0" RESC1005X40N 1055.91,-991.35 r180 bottom (schematic designator R93)
R93C "0" RESC1005X40N 1055.91,-1877.18 r180 bottom (schematic designator R93)
R93D "0" RESC1005X40N 1055.91,-2763.01 r180 bottom (schematic designator R93)
R94A "Undefined" RESC1005X40N 1138.58,-105.53 r180 bottom (schematic designator R94)
R94B "Undefined" RESC1005X40N 1138.58,-991.35 r180 bottom (schematic designator R94)
R94C "Undefined" RESC1005X40N 1138.58,-1877.18 r180 bottom (schematic designator R94)
R94D "Undefined" RESC1005X40N 1138.58,-2763.01 r180 bottom (schematic designator R94)
R95 "200" RESC1005X40N 1736.22,-1320.97 r180 bottom
R96A "0" RESC1005X40N 1075.87,209.21 r270 bottom (schematic designator R96)
R96B "0" RESC1005X40N 1075.87,-676.79 r270 bottom (schematic designator R96)
R96C "0" RESC1005X40N 1075.87,-1562.79 r270 bottom (schematic designator R96)
R96D "0" RESC1005X40N 1075.87,-2448.79 r270 bottom (schematic designator R96)
R97A "0" RESC1005X40N 1040.35,211.71 r270 bottom (schematic designator R97)
R97B "0" RESC1005X40N 1039.87,-677.79 r270 bottom (schematic designator R97)
R97C "0" RESC1005X40N 1039.87,-1562.79 r270 bottom (schematic designator R97)
R97D "0" RESC1005X40N 1039.87,-2447.79 r270 bottom (schematic designator R97)
R98A "0" RESC1005X40N 1146.87,209.21 r270 bottom (schematic designator R98)
R98B "0" RESC1005X40N 1146.87,-676.79 r270 bottom (schematic designator R98)
R98C "0" RESC1005X40N 1146.87,-1563.26 r270 bottom (schematic designator R98)
R98D "0" RESC1005X40N 1146.87,-2448.79 r270 bottom (schematic designator R98)
R99A "0" RESC1005X40N 1110.87,209.21 r270 bottom (schematic designator R99)
R99B "0" RESC1005X40N 1111.87,-676.79 r270 bottom (schematic designator R99)
R99C "0" RESC1005X40N 1111.87,-1563.26 r270 bottom (schematic designator R99)
R99D "0" RESC1005X40N 1110.87,-2448.79 r270 bottom (schematic designator R99)
R100A "0" RESC1005X40N 288.19,369.98 r0 top (schematic designator R100)
R100B "0" RESC1005X40N 288.19,-515.85 r0 top (schematic designator R100)
R100C "0" RESC1005X40N 288.19,-1401.68 r0 top (schematic designator R100)
R100D "0" RESC1005X40N 288.19,-2287.5 r0 top (schematic designator R100)
R101 "200" RESC1005X40N 1736.22,-1356.4 r180 bottom
R102 "200" RESC1005X40N 1736.22,-1391.83 r180 bottom
R103 "0" RESC1608X55N 1622.05,-1828.84 r90 top
R104A "Undefined" RESC1005X40N 1075.79,294.39 r270 bottom (schematic designator R104)
R104B "Undefined" RESC1005X40N 1075.79,-591.44 r270 bottom (schematic designator R104)
R104C "Undefined" RESC1005X40N 1075.79,-1477.27 r270 bottom (schematic designator R104)
R104D "Undefined" RESC1005X40N 1075.79,-2363.09 r270 bottom (schematic designator R104)
R105A "Undefined" RESC1005X40N 1040.35,294.39 r270 bottom (schematic designator R105)
R105B "Undefined" RESC1005X40N 1040.35,-591.44 r270 bottom (schematic designator R105)
R105C "Undefined" RESC1005X40N 1040.35,-1477.27 r270 bottom (schematic designator R105)
R105D "Undefined" RESC1005X40N 1040.35,-2363.09 r270 bottom (schematic designator R105)
R106A "Undefined" RESC1005X40N 1146.65,294.39 r270 bottom (schematic designator R106)
R106B "Undefined" RESC1005X40N 1146.65,-591.44 r270 bottom (schematic designator R106)
R106C "Undefined" RESC1005X40N 1146.65,-1477.27 r270 bottom (schematic designator R106)
R106D "Undefined" RESC1005X40N 1146.65,-2363.09 r270 bottom (schematic designator R106)
R107A "Undefined" RESC1005X40N 1111.22,294.39 r270 bottom (schematic designator R107)
R107B "Undefined" RESC1005X40N 1111.22,-591.44 r270 bottom (schematic designator R107)
R107C "Undefined" RESC1005X40N 1111.22,-1477.27 r270 bottom (schematic designator R107)
R107D "Undefined" RESC1005X40N 1111.22,-2363.09 r270 bottom (schematic designator R107)
R108 "10k" RESC1005X40N 1669.87,-1814.79 r270 top
R109 "0" RESC1608X55N 1547.24,-1828.84 r90 top
R110 "10k" RESC1005X40N 1498.87,-1813.79 r270 top
R111 "10k" RESC1005X40N 2955.91,165.06 r180 bottom
R112A "10k" RESC1005X35N -402.56,50.09 r180 top (schematic designator R112)
R112B "10k" RESC1005X35N -402.56,-835.73 r180 top (schematic designator R112)
R112C "10k" RESC1005X35N -402.56,-1721.56 r180 top (schematic designator R112)
R112D "10k" RESC1005X35N -402.56,-2607.39 r180 top (schematic designator R112)
R113A "470" RESC1608X55N 1072.83,-324.8 r0 bottom (schematic designator R113)
R113B "470" RESC1608X55N 1072.83,-1200.79 r0 bottom (schematic designator R113)
R113C "470" RESC1608X55N 1053.15,-2096.46 r0 bottom (schematic designator R113)
R113D "470" RESC1608X55N 1122.05,-2942.91 r0 bottom (schematic designator R113)
R114 "100" RESC1005X40N 2928.74,-1171.26 r90 bottom
R115 "1k2" RESC1608X55N 1677.17,-1689.08 r270 top
R116 "1k2" RESC1608X55N 2997.51,36.42 r0 top
R117 "49R9" RESC1005X40N -801.49,-2784.58 r180 top
R118 "1k5" RESC1608X55N 1872.05,-2555.22 r270 top
R119 "1k2" RESC1608X55N 1812.99,-2555.22 r90 top
R120 "15k" RESC1608X55N 1440.51,-171.58 r0 bottom
R121 "15k" RESC1608X55N 1405.51,-108.58 r0 bottom
R122 "15k" RESC1608X55N 1404.51,-49.58 r0 bottom
R123 "0" RESC1005X40N 1213.51,-163.58 r180 bottom
R124 "0" RESC1005X40N 1321.43,-168.42 r90 bottom
R125 "0" RESC1005X40N 1272.21,-168.42 r90 bottom
R126 "0" RESC1005X40N 1196.51,175.42 r270 bottom
R127 "0" RESC1005X40N 1247.51,177.42 r270 bottom
R128 "0" RESC1005X40N 1285.51,177.42 r270 bottom
R129 "1k5" RESC1608X55N 1519.68,427.06 r180 top
R130 "1k2" RESC1608X55N 1519.68,358.17 r180 top
R131 "6k8" RESC1608X55N -1599.2,-2582.78 r180 top
R132 "2k2" RESC1608X55N -1481.09,-2582.78 r180 top
R133 "43k" RESC1608X55N -1712.6,-2580.81 r0 bottom
R134 "47k" RESC1608X55N 2076.77,-3027.66 r180 bottom
R135 "9k1" RESC1608X55N -1850.39,-2576.87 r0 bottom
R136 "5k6" RESC1608X55N 2110.24,-2939.08 r270 bottom
R137A "100" RESC3216X65N -1992.13,-203.79 r90 top (schematic designator R137)
R137B "100" RESC3216X65N -1991.13,-871.79 r90 top (schematic designator R137)
R137C "100" RESC3216X65N -1990.13,-1541.79 r90 top (schematic designator R137)
R137D "100" RESC3216X65N -1989.13,-2210.79 r90 top (schematic designator R137)
R138A "0" RESC1005X40N -2348.43,43.2 r270 top (schematic designator R138)
R138B "0" RESC1005X40N -2348.43,-626.09 r270 top (schematic designator R138)
R138C "0" RESC1005X40N -2348.43,-1295.38 r270 top (schematic designator R138)
R138D "0" RESC1005X40N -2348.43,-1964.67 r270 top (schematic designator R138)
R139 "2k2" RESC1608X55N -1350.2,-2905.41 r0 top
R140A "0" RESC1608X55N 1072.83,-265.75 r180 bottom (schematic designator R140)
R140B "0" RESC1608X55N 1072.83,-1141.73 r180 bottom (schematic designator R140)
R140C "0" RESC1608X55N 1053.15,-2037.4 r180 bottom (schematic designator R140)
R140D "0" RESC1608X55N 1122.05,-2883.86 r180 bottom (schematic designator R140)
R141 "0" RESC1608X55N 1761.81,-1200.79 r180 top
R142 "49R9" RESC1005X40N 2391,409 r270 top
R143 "1k2" RESC1608X55N -2600.49,-2898.58 r0 bottom
R144 "49R9" RESC1005X40N 2390,337 r90 top
R145 "49R9" RESC1005X40N 2431,337 r90 top
R146 "49R9" RESC1005X40N 2354,337 r90 top
SW1 "Switch" SW_OMRON_A6S-4102-H 3054.33,312.69 r180 top
TP1 "Test Point" TPS127 3207,-2940 r0 top
TP2 "Test Point" TPS127 3209,-2792 r0 top
TP3 "Test Point" TPS127 3208,-2866 r0 top
TP4 "Test Point" TPS127 3208,-2719 r0 top
TP5 "Test Point" TPS127 1707.87,379.21 r0 top
TP6 "Test Point" TPS127 1791.34,379.82 r0 top
TP7 "Test Point" TPS127 1876.87,380.21 r0 top
TP8 "Test Point" TPS127 1962.87,380.21 r0 top
TP9 "Test Point" TPS127 2054.27,379.82 r0 top
TP10 "Test Point" TPS127 1627.95,436.91 r90 top
TP11 "Test Point" TPS127 2711.51,-2367.58 r90 top
TP12 "Test Point" TPS127 1736.22,-1797.35 r90 top
TP13 "Test Point" TPS127 1417.32,-2342.52 r90 top
TP14 "Test Point" TPS127 2858.27,-2368.21 r90 top
TP15 "Test Point" TPS127 1637.8,240.06 r90 top
TP16 "Test Point" TPS127 -1354.33,-2545.38 r90 top
TP17 "Test Point" TPS127 -2161.42,-2555.22 r90 top
TP18 "Test Point" TPS127 2877.95,-2210.73 r90 top
TR1A "1:1" XFMR_MINI-CIRCUITS_CD542 -834.25,66.31 r270 top (schematic designator TR1)
TR1B "1:1" XFMR_MINI-CIRCUITS_CD542 -834.25,-602.98 r270 top (schematic designator TR1)
TR1C "1:1" XFMR_MINI-CIRCUITS_CD542 -834.25,-1272.27 r270 top (schematic designator TR1)
TR1D "1:1" XFMR_MINI-CIRCUITS_CD542 -834.25,-1941.56 r270 top (schematic designator TR1)
TR2 "1:2" XFMR_MINI-CIRCUITS_DB1627 -2460.62,-2699.9 r0 top
TR3 "1:2" XFMR_MINI-CIRCUITS_DB1627 -2250.39,-2954.63 r90 top

## Footprints (in the part's own frame and the unit in brackets; to place one, negate y for a bottom-side part, rotate by r counter-clockwise, add the part's x,y. Pads: shape width x height; smd on the part's side, far side on the other; paste and mask are expansions set on the pad)
3M_N2530-6002RB [mm] "30 Contacts - Straight .100\" x .100\" Low Profile Four-Wall Header"
  round 1.6 hole 1: 1(-17.78,-1.27) 2(-17.78,1.27) 3(-15.24,-1.27) 4(-15.24,1.27) 5(-12.7,-1.27) 6(-12.7,1.27) 7(-10.16,-1.27) 8(-10.16,1.27) 9(-7.62,-1.27) 10(-7.62,1.27) 11(-5.08,-1.27) 12(-5.08,1.27) 13(-2.54,-1.27) 14(-2.54,1.27) 15(0,-1.27) 16(0,1.27) 17(2.54,-1.27) 18(2.54,1.27) 19(5.08,-1.27) 20(5.08,1.27) 21(7.62,-1.27) 22(7.62,1.27) 23(10.16,-1.27) 24(10.16,1.27) 25(12.7,-1.27) 26(12.7,1.27) 27(15.24,-1.27) 28(15.24,1.27) 29(17.78,-1.27) 30(17.78,1.27)
  silkscreen extent -22.71,-4.85 22.71,4.52, body extent -22.71,-4.11 22.71,4.52, height 9.91
CAPC1005X50N [mm] "Chip Capacitor, Body 1.0x0.55mm, IPC Medium Density"
  rect 0.57x0.68 smd: 1(-0.49,0) 2(0.49,0)
  body extent -0.5,-0.27 0.5,0.28, height 0.5
CAPC1005X55N [mm] "Chip Capacitor, Body 1.0x0.55mm, IPC Medium Density"
  rect 0.62x0.62 smd: 1(-0.45,0) 2(0.45,0)
  body extent -0.52,-0.27 0.53,0.28, height 0.55
CAPC1608X80N [mm] "Chip Capacitor, Body 1.6x0.8mm IPC Medium Density"
  rect 1x1 smd: 1(-0.75,0) 2(0.75,0)
  body extent -0.87,-0.47 0.88,0.48, height 0.8
CAPC1608X87N [mm] "Chip Capacitor, Body 1.6x0.8mm IPC Medium Density"
  rect 0.95x1 smd: 1(-0.8,0) 2(0.8,0)
  body extent -0.87,-0.47 0.88,0.48, height 0.87
CAPC1608X90N [mm] "Chip Capacitor, Body 1.6x0.8mm IPC Medium Density"
  rect 0.95x0.95 smd: 1(-0.75,0) 2(0.75,0)
  body extent -0.85,-0.45 0.85,0.45, height 0.9
CAPC2012X135N [mm] "Chip Capacitor, Body 2.0x1.25mm, IPC Medium Density"
  rect 1.05x1.4 smd: 1(-0.9,0) 2(0.9,0)
  silkscreen extent 0,-0.58 0,0.58, body extent -1.05,-0.67 1.05,0.68, height 1.25
CAPC2012X140N [mm] "Chip Capacitor, Body 2.0x1.25mm, IPC Medium Density"
  rect 1.15x1.45 smd: 1(-0.9,0) 2(0.9,0)
  silkscreen extent 0,-0.57 0,0.57, body extent -1.05,-0.67 1.05,0.68, height 1.3
CAPC3225X270N [mm] "Chip Capacitor, Body 3.2x2.5mm, IPC Medium Density"
  rect 1.15x2.7 smd: 1(-1.5,0) 2(1.5,0)
  silkscreen extent -0.55,-1.25 0.55,1.25, body extent -1.7,-1.35 1.7,1.35, height 2.7
CAPMP3528X210N [mm] "Capacitor, Polarized, Molded  Body 3.5x2.8mm, IPC Medium Density"
  rect 1.8x2.25 smd: 1(-1.45,0) 2(1.45,0)
  silkscreen extent -2.52,-1.5 1.85,1.73, body extent -1.85,-1.5 1.85,1.5, height 2.1
CAPMP6032X280N [mm] "Capacitor, Polarized, Molded  Body 6.0x3.2mm, IPC Medium Density"
  rect 2.35x2.25 smd: 1(-2.45,0) 2(2.45,0)
  silkscreen extent -3.8,-1.75 3.15,1.9, body extent -3.15,-1.75 3.15,1.75, height 2.8
CLIP_HOLLAND-SHIELDING_LC [mm] "Surface Mount Clip for PCB Screening Covers"
  rect 9.4x2.3 smd: 1(0,0)
  silkscreen extent -4.7,-1.5 4.7,1.5, body extent -4.4,-1.15 4.4,1.15, height 3.5
FIDUCIAL_TOP_C100-200 [mm] "Round Fiducial Target, Top Layer, 1.0mm, Top Solder 2.0mm, Keepout =2.0mm"
  round 1 smd paste-0.51 mask+0.5: FTG2(0,0)
  L1 keep-out circle w0.1: c0,0 r1
FIDUCIAL_TOP_S100-200 [mm] "Square Fiducial Target, Top Layer, 1.0mm, Top Solder 2.0mm, Keepout =2.0mm"
  rect 1x1 smd rot 45 paste-0.51 mask+0.5: 1(0,0)
  L1 keep-out region: 1.414,0 0,-1.414 -1.414,0 0,1.414
FIDUCIAL_TOP_S200-400 [mm] "Square Fiducial Target, Top Layer, 2.0mm, Top Solder 4.0mm, Keepout =4.0mm"
  rect 2x2 smd rot 45 paste-0.9 mask+1: 1(0,0)
  L1 keep-out region: -2.839,0.011 -0.011,2.839 2.818,0.011 -0.011,-2.818
FIL_MINI-CIRCUITS_FV1206 [mm] "MINI-CIRCUITS Case FV1206 - Body 3.2x1.6mm"
  rect 1.04x1.8 smd: 1(-1.625,0) 3(1.625,0)
  rect 0.61x1.245 smd: 2(0,-0.928) 4(0,0.927)
  silkscreen extent -2.78,-1.25 1.6,1.25, body extent -1.6,-0.8 1.6,0.8, height 0.94
IND_MINI-CIRCUITS_GU1604 [mm] "MINI-CIRCUITS RF Choke, Case GU1041 - Body 3.81X3.81mm"
  rect 0.76x1.27 smd: 1(-1.27,1.394) 2(1.27,1.396) 3(1.27,-1.394) 4(-1.27,-1.396)
  silkscreen extent -1.91,-1.91 1.91,1.91, body extent -1.9,-1.9 1.91,1.91, height 3.81
IND_MURATA-PS_8400 [mm] "Miniature Surface Mount Power Inductors, 4.5mm L X 3.3mm W X 2.9mm H, MURATA 8400 Serie"
  rect 2x3.5 smd: 1(-1.6,0) 2(1.6,0)
  silkscreen extent -0.3,-1.8 0.3,1.8, body extent -2.4,-1.8 2.4,1.8, height 2.9
IND_TDK_SPM6530 [mm] "SMD Inductor, 7.1mm L X 6.5mm W X 3mm H, TDK SPM6530 Series"
  rect 1.85x3.4 smd: 1(-2.775,0) 2(2.775,0)
  silkscreen extent -3.5,-3.2 3.5,3.2, body extent -3.6,-3.2 3.6,3.2, height 3.1
INDC1608X95N [mm] "Chip Inductor, 2-Leads, EIA 0603, Metric 1608, Body 1.6x0.8mm, IPC Medium Density"
  rect 0.95x1 smd: 1(-0.8,0) 2(0.8,0)
  body extent -0.87,-0.47 0.88,0.48, height 0.95
LED_DIALIGHT_553-0112-200F [mm] "Dual 3mm LED  (Top: Red, Bot: Green), Body 10.55x4.32mm, Pin spacing 2.54mm"
  round 1.6 hole 0.9: 1(-1.27,1.27) 2(-1.27,-1.27) 3(1.27,1.27) 4(1.27,-1.27)
  silkscreen extent -11.62,-2.16 2.44,2.16, body extent -11.62,-2.16 2.44,2.16, height 9.65
LED_KINGBRIGHT_KPH-1608CGCKr [mm] "SMT Green LED, Case 0603, Body L 1.6 x W 0.8mm H 0.65mm"
  rect 0.8x0.8 smd: 1(-0.825,0) 2(0.825,0)
  silkscreen extent -1.82,-0.4 0.08,0.4, body extent -0.8,-0.4 0.8,0.4, height 0.65
LGA25C127P5X5_625X625X190 [mm] "LGA, 25-Leads, Body 6.25x6.25mmx1.90mm, Pitch 1.27mm"
  round 0.66 smd: A1(-2.54,2.54) A2(-1.27,2.54) A3(0,2.54) A4(1.27,2.54) A5(2.54,2.54) B1(-2.54,1.27) B2(-1.27,1.27) B3(0,1.27) B4(1.27,1.27) B5(2.54,1.27) C1(-2.54,0) C2(-1.27,0) C3(0,0) C4(1.27,0) C5(2.54,0) D1(-2.54,-1.27) D2(-1.27,-1.27) D3(0,-1.27) D4(1.27,-1.27) D5(2.54,-1.27) E1(-2.54,-2.54) E2(-1.27,-2.54) E3(0,-2.54) E4(1.27,-2.54) E5(2.54,-2.54)
  silkscreen extent -4.06,-3.13 3.13,3.13, body extent -3.13,-3.13 3.13,3.13, height 1.9
MINI-CIRCUITS_WW107 [mm] "MINI-CIRCUITS WW107 Case"
  rect 1.83x1.02 smd: 1(-2.085,0) 3(2.085,0)
  rect 1.02x1.83 smd: 2(0,-2.085) 4(0,2.085)
  silkscreen extent -2.38,-0.77 0.77,1.12, body extent -2.84,-2.54 2.54,2.54, height 1.52
MOLEX_87832-1420 [mm] "Milli-Grid, Pitch 2mm, 14 contacts, Surface Mount Vertical Header With Locking Window And Centre Polarization Slot"
  rect 1x2.75 smd: 1(-6,-2.125) 2(-6,2.125) 3(-4,-2.125) 4(-4,2.125) 5(-2,-2.125) 6(-2,2.125) 7(0,-2.125) 8(0,2.125) 9(2,-2.125) 10(2,2.125) 11(4,-2.125) 12(4,2.125) 13(6,-2.125) 14(6,2.125)
  round 0.5 hole 1 unplated mask+0.25: 15(-5,0) 16(5,0)
  silkscreen extent -8.32,-4.19 8.32,3.15, body extent -8.32,-3.15 8.33,3.15, height 7.6
OSC_CRYSTEK_CCHD-950 [mm] "Oscillator, 5.08mm Pitch; 4 Pin, 14.2mm L X 9.14mm W X 5.3mm H, CCHD-950 Serie"
  rect 2.28x1.27 smd: 1(-3.555,2.54) 2(-3.555,-2.54) 3(3.555,-2.54) 4(3.555,2.54)
  silkscreen extent -5.37,-7.1 4.57,7.1, body extent -4.57,-7.1 4.57,7.1, height 5.3
QFN50P400X400X100-25N-S295 [mm] "QFN,0.50mm pitch,square;24 pin,4.00mm L X 4.00mm W X 1.00mm H body (w/thermal tab 2.95 X 2.95mm),  IPC Medium Density"
  oval 0.7x0.3 smd: 1(-2.05,1.25) 2(-2.05,0.75) 3(-2.05,0.25) 4(-2.05,-0.25) 5(-2.05,-0.75) 6(-2.05,-1.25) 13(2.05,-1.25) 14(2.05,-0.75) 15(2.05,-0.25) 16(2.05,0.25) 17(2.05,0.75) 18(2.05,1.25)
  oval 0.3x0.7 smd: 7(-1.25,-2.05) 8(-0.75,-2.05) 9(-0.25,-2.05) 10(0.25,-2.05) 11(0.75,-2.05) 12(1.25,-2.05) 19(1.25,2.05) 20(0.75,2.05) 21(0.25,2.05) 22(-0.25,2.05) 23(-0.75,2.05) 24(-1.25,2.05)
  rect 2.95x2.95 smd: 25(0,0)
  silkscreen extent -3.13,-2 2,2, body extent -2.07,-2.07 2.08,2.08, height 1